# KiCad board panel.kicad_pcb (continued)
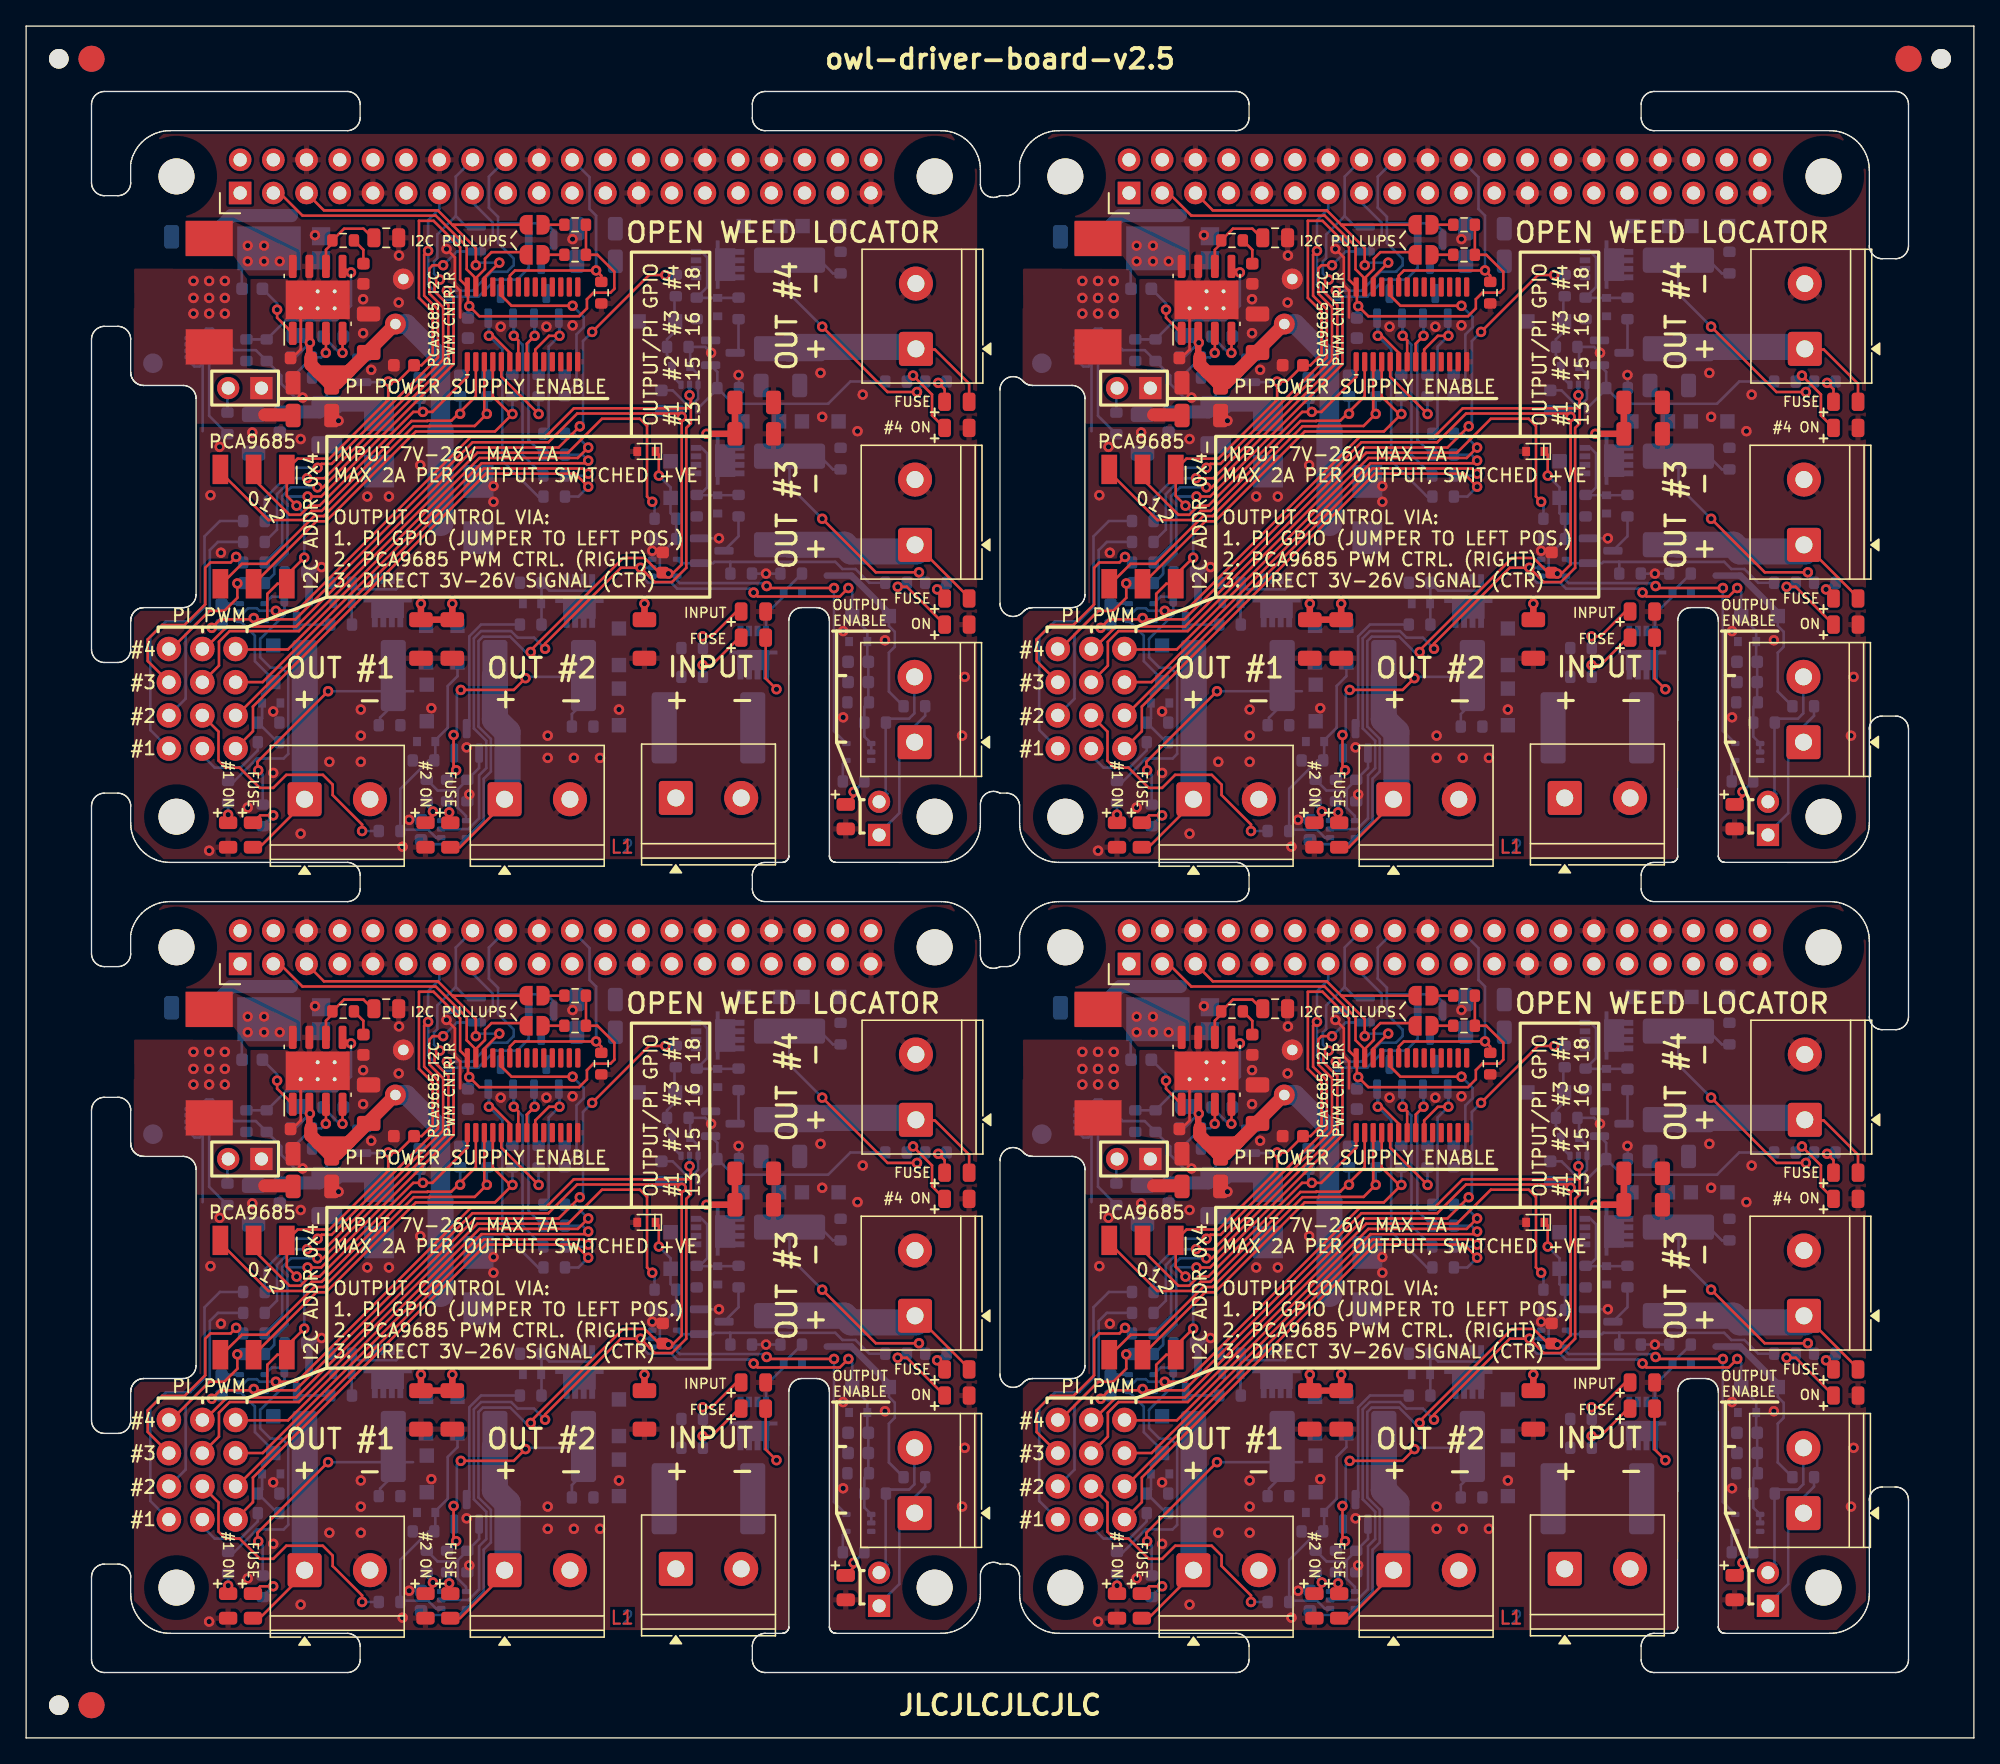
[diagram p0: board, top side]
## Routing (per net, layer and track width the routed paths; a pad name or vN(x,y) marks a point on that pad's centre or on a via; arc(x,y) is an arc through that point) (continued)
Board_1-/M1_G: length 7.4
  Bottom w0.2: R2.1 93.43,87.9 96.3,87.9 96.62,88.23 96.62,88.45 ; 92.9,85.1 92.9,86.68 ; 92.93,86.7 92.93,88.3
Board_1-/M2_D: length 18.8
  Top w0.2: v1(106.2,81.1) 105.3,80.2 v1(101.25,80.2) ; v1(100.89,74.05) 100.7,74.25 v1(100.7,76.75)
  Bottom w0.2: R15#3.2 100.2,73.36 v1(100.89,74.05) ; v1(100.7,76.75) 100.95,77 100.95,79.9 v1(101.25,80.2) ; v1(106.2,81.1) 106.3,81.2 110.54,81.2 ; 110.2,78.8 109.75,78.35 R61#2.2
Board_1-/M2_G: length 8
  Bottom w0.2: 111.32,88.65 111.32,88.03 111.1,87.8 108.03,87.8 R13#2.1 107.43,86.83 ; R17#3.2 107.43,86.78
Board_1-/M3_D: length 16.5
  Top w0.2: v1(128.9,93.3) 133,89.2 v1(136.3,89.2)
  Bottom w0.2: 129,97.8 129.72,97.08 130.3,97.08 ; F3#2.1 126.4,95.8 v1(128.9,93.3)
Board_1-/M3_G: length 7.6
  Bottom w0.2: 119.32,95.1 D3#3.2 122.47,95.1 ; 119.53,95.13 120.1,95.7 120.1,98.3 119.68,98.73 Q3#2.1
Board_1-/M4_D: length 18.1
  Top w0.2: v1(128.9,108) 133.9,103 v1(136.15,103)
  Bottom w0.2: 126.39,113.07 126.39,110.51 v1(128.9,108) ; v1(136.15,103) 136.15,103.18 R16#4.1 ; 130.3,112.08 129.72,112.08 129,112.8
Board_1-/M4_G: length 7.6
  Bottom w0.2: R14#3.1 120.1,111.03 120.1,113.3 119.68,113.73 Q7#4.1 ; 119.32,110.2 D18#4.2 122.47,110.2
Board_1-/PI_5V0_P: length 1.9
  Bottom w0.2: J9#3.2 83.4,103.24 83.4,101.43
Board_1-/SS: length 3.5
  Top w0.2: v1(92.2,106) 92.21,106.01 U1#3.4
  Bottom w0.2: C24#3.1 91.98,106 v1(92.2,106)
Board_1-/SW: length 2.1
  Bottom w0.2: 84.5,111.18 84.5,113.3
  vias: v1(84.95,114.2) v1(84.95,113) v1(86.2,114.2) v1(86.2,113) v1(87.4,113)
Board_1-/VSENSE: length 12.5
  Top w0.2: v1(92.85,112.15) 92.67,112.15 U1#3.5
  Bottom w0.2: 84.85,107.03 86.4,107.03 87.88,108.5 91.75,108.5 92.85,109.6 v1(92.85,112.15)
Board_1-ENABLE: length 126.5
  Top w0.2: v1(107.7,83.35) 107.7,83.75 113.5,89.55 v1(115,89.55) 116.1,88.45 117.4,88.45 118.5,89.55 118.5,100.25 118.85,100.6 118.85,102.65 ; v1(118.75,102.75) 118.85,102.65 ; 118.85,102.65 118.85,101.8 118.8,101.75 109.9,101.75 107.7,99.55 102,99.55 88.71,86.26 v1(87.1,86.26) ; v1(130.9,88) 130.25,87.35 123.95,87.35 v1(123.65,87.65)
  Bottom w0.2: U7#4.2 v1(118.75,102.75) ; v1(107.7,83.35) 106.85,84.2 105.6,84.2 105.1,84.7 102.8,84.7 102.25,84.15 102.25,77.26 103.2,76.31 103.2,74.22 102.65,73.67 102.65,70.38 101.82,69.55 U4#3.2 ; v1(87.1,86.26) 85.84,86.26 85.65,86.45 84.97,86.45 84.67,86.15 U5#4.2 ; v1(123.65,87.65) 123.35,87.95 117.8,87.95 117.35,88.4 115.58,88.4 115,88.98 v1(115,89.55) U6#3.2 ; v1(130.9,88) 131.2,87.7 D40.2 132.35,84.7 D39#3.1 132.35,82.43 C25#4.1 C21#2.1 132.43,79.3 R47.1 132.12,78.9 R49#2.2 132.12,76.63 U8.1 U8.2
Board_1-GND: length 58.5
  Top w0.2: 101.2,108.7 101.2,110.76 100.8,111.16 100.8,113.3 v1(100.16,113.94) ; 88.65,105.9 89,106.25 U1#3.9
  Bottom w0.2: U6#3.3 v1(115.9,90.85) 115.9,91.58 R51#4.1 ; v1(122.5,104.3) 122.53,104.28 R22#2.1 ; R21#3.1 101.75,72.05 v1(101.9,72.2) ; U5#4.3 83.45,86.8 83.3,86.65 ; C28#3.2 97.32,70.28 v1(97.3,70.26) ; v1(89.15,102.57) 88.57,102.57 87.53,103.62 87.53,104.25 R45.1 85.57,106.2 83.9,106.2 82.25,107.85 81.78,107.85 81.53,107.6 U3#3.9 U3#3.8 ; Q5.2 v1(121,91.8) ; R8.1 v1(124.6,89.1) R12.1 ; C26#4.2 117.46,103.13 118.48,102.1 119.03,102.1 119.4,102.47 U7#4.3 119.4,104.35 D42.2 118.8,106.33 118.68,106.45 119.95,106.45 v1(120.4,106) 120.36,106.04 Q9#4.2 ; U3#3.4 80.6,105.23 80.88,104.95 81.27,104.95 81.53,105.2 U3#3.2 81.5,105.48 81.5,100
  Bottom w0.5: v1(90.6,89.6) 90.2,89.6 89.65,89.05 Q4#2.2 89.65,88.98
  Bottom w1: C10#3.2 83.5,116.3 83.5,116.33 83.67,116.5 88.3,116.5
  vias: v1(82,67.9) v1(82.1,95.1) v1(82.8,98.8) v1(82.9,90.7) v1(84.95,71.2) v1(85.3,99.9) v1(86.9,78.55) v1(86.9,73.85) v1(89,99.4) v1(89,69.2) v1(90.1,115) v1(91.2,74.7) v1(91.9,100.8) v1(93.6,78.7) v1(93.6,76.7) v1(93.6,74.7) v1(93.78,110.1) v1(93.78,107.5) v1(94.1,95) v1(94.4,104.7) v1(95.75,95) v1(96.52,113.45) v1(96.5,109.85) v1(96.8,68.2) v1(98.15,97.4) v1(99,78.8) v1(101.7,75.8) v1(103.75,95.8) v1(103.75,94.6) v1(104.3,108) v1(107.8,108) v1(107.9,76.7) v1(107.9,75) v1(109.8,114.7) v1(109.8,108.1) v1(109.9,75) v1(111.9,75) v1(113.35,78.7) v1(128.77,104.46) v1(128.9,101.1) v1(130.5,84.7) v1(130.5,78.1) v1(131.6,100) v1(132,102.8) v1(133.7,84) v1(139.6,76.7) v1(139.8,81.2)
Board_1-I2C_SCL: length 25.8
  Top w0.2: 100.65,115.75 102.4,114 v1(102.4,112.7) ; 100.65,115.75 100.7,115.8 JP8#2.1 ; 100.65,115.75 99.5,116.9 90.78,116.9 J2#3.5 ; v1(104.2,112.9) 103.05,111.75 U2#4.26
  Bottom w0.2: v1(104.2,112.9) 102.6,112.9 v1(102.4,112.7)
Board_1-I2C_SDA: length 25
  Top w0.2: 106.05,113.7 103.6,113.7 103.1,113.2 103.1,112.41 102.4,111.71 U2#4.27 102.4,111.69 101.7,112.39 101.7,114.14 99.34,116.5 89.14,116.5 87.41,118.23
Board_1-INPUT1: length 39.3
  Top w0.2: J6#4.1 85.35,77.04 85.35,78.93 103.17,96.75 110,96.75 v1(111,95.75)
  Bottom w0.2: v1(111,95.75) 110.25,95 R24.2
Board_1-INPUT2: length 36.7
  Top w0.2: v1(111,96.75) 110.6,97.15 103.01,97.15 84.11,78.25
  Bottom w0.2: R25#4.2 110.85,96.6 v1(111,96.75)
Board_1-INPUT3: length 36
  Top w0.2: v1(111,97.75) 110.8,97.55 102.84,97.55 86.09,80.8 84.03,80.8
  Bottom w0.2: v1(111,97.75) 110.55,98.2 R26#4.2
Board_1-INPUT4: length 35.6
  Top w0.2: 84.05,83.3 88.03,83.3 102.68,97.95 110.2,97.95 v1(111,98.75)
  Bottom w0.2: R27#2.2 109.95,99.8 v1(111,98.75)
Board_1-MOSFET1: length 5.8
  Bottom w0.2: 81.48,75.2 82.43,74.25 84.4,74.25 85.72,75.58 85.72,76.2
Board_1-MOSFET2: length 20.1
  Top w0.2: v1(93.7,69.4) 93.7,69.9 91.45,72.15 91.45,72.95 90.7,73.7 87.9,73.7 86.9,72.7 85.88,72.7 84.33,74.25 83.25,74.25 82.72,74.78 82.72,77.01 J6#4.4
  Bottom w0.2: v1(93.7,69.4) R19#4.2
Board_1-MOSFET3: length 51
  Top w0.2: J6#4.6 82.75,82.06 82.75,83.89 83.56,84.7 88.86,84.7 102.52,98.35 109.45,98.35 112.05,100.95 114.95,100.95 115.5,100.4 115.5,95 v1(115.9,94.6)
  Bottom w0.2: v1(115.9,94.6) 116.07,94.43 R10#4.2
Board_1-MOSFET4: length 51.8
  Top w0.2: v1(110.35,100.37) 108.73,98.75 102.35,98.75 88.65,85.05 83.36,85.05 81.64,83.33 J6#4.8 ; v1(111.3,107.6) 115.65,111.95 v1(116.9,111.95)
  Bottom w0.2: v1(110.35,100.37) 110.6,100.62 110.6,106.9 v1(111.3,107.6) ; v1(116.9,111.95) 117.68,111.95 R20.2
Board_1-Net-(C23-Pad1): length 2.1
  Top w0.2: C23#3.1 93.8,113.88 R44#3.2
Board_1-Net-(D1-A): length 4.7
  Top w0.2: v1(119.75,82.1) 120.45,82.1 122.55,84.2 D1#2.2
  Bottom w0.2: 119.78,81.2 119.78,82.08 v1(119.75,82.1)
Board_1-Net-(D1-K): length 4.3
  Top w0.2: D1#2.1 124.57,81.08 v1(125.4,80.25)
Board_1-Net-(D4-A): length 2.8
  Top w0.2: D4.2 85.91,70.6 v1(86.9,70.6)
  Bottom w0.2: 86.2,69.9 v1(86.9,70.6)
Board_1-Net-(D5-A): length 1.9
  Top w0.2: v1(137.69,87.89) 137.69,87.77 D5#2.2
  Bottom w0.2: v1(137.69,87.89) 138.2,88.4 R5#4.1
Board_1-Net-(D6-A): length 5.5
  Bottom w0.2: R8.2 125.95,87.7 D6.2 125.95,87.35 124.6,86 Q1#4.1
Board_1-Net-(D12-A): length 11.6
  Bottom w0.2: U5#4.1 85.5,84.35 85.5,82.4 86.9,81 D12#3.2 86.9,80.7 86.05,79.85 D45#2.1 86.05,78.03 85.72,77.7 87.22,76.2 R9#2.1
Board_1-Net-(D13-A): length 11.1
  Top w0.2: D43#3.1 116.4,98.2 v1(116.4,96.6)
  Bottom w0.2: v1(116.4,96.6) 117.3,95.7 D13#4.2 117.3,93.73 R10#4.1 R51#4.2 116.47,90.5 116.47,89.15 116.22,88.9 U6#3.1
Board_1-Net-(D19-A): length 1.4
  Top w0.2: 100.4,70.34 100.4,70.79 v1(100.36,70.83)
  Bottom w0.2: v1(100.36,70.83) 100.4,70.87 100.4,71.73
Board_1-Net-(D20-A): length 1.7
  Top w0.2: v1(137.77,103.7) 138.26,103.21 D20#4.2
Board_1-Net-(D25-A): length 18.9
  Bottom w0.2: R52.2 99.22,74.95 99.47,75.2 ; R52.2 98.8,74.8 96.62,72.63 R19#4.1 96.72,69.5 98.75,69.5 99.35,68.9 U4#3.1 ; R52.2 99.3,74.88 D44.1 99.3,76.35 100.25,77.3 100.25,80.5 101,81.25 D25#3.2
Board_1-Net-(D26-A): length 7
  Bottom w0.2: 117.6,109.88 117.6,108.45 D26.2 117.65,107.65 117.03,107.03 R50.2 117.03,105.83 117.4,105.45 D42.1 117.4,104.25 U7#4.1
Board_1-Net-(D29-A): length 0.9
  Bottom w0.2: R58#4.1 v1(83.45,70.65)
Board_1-Net-(D30-A): length 5.6
  Top w0.2: D30#3.2 135.37,88.09 v1(134.67,88.09)
  Bottom w0.2: R56#3.1 135.07,88.09 v1(134.67,88.09)
Board_1-Net-(D31-A): length 2.1
  Top w0.2: v1(99.12,70.89) 99.12,70.61 D31#4.2
  Bottom w0.2: v1(99.12,70.89) 98.65,71.36 R57#4.1
Board_1-Net-(D37-A): length 6
  Top w0.2: v1(135.85,104.26) 137.3,102.81 137.3,101.21 D37#3.2 138.01,100
  Bottom w0.2: R54#4.1 135.84,104.26 v1(135.85,104.26)
Board_1-Net-(D38-A): length 4.6
  Top w0.2: D38#2.2 122.35,86.2 120.45,84.3 v1(119.75,84.3)
  Bottom w0.2: 119.75,84.45 119.78,84.43 119.78,83.55
Board_1-Net-(D41-A): length 2.4
  Top w0.2: v1(131.3,72.4) 131.3,72.04 D41#2.2
  Bottom w0.2: R55#2.1 132.1,73.2 v1(131.3,72.4)
Board_1-Net-(J2-GP22): length 37.5
  Top w0.2: v1(99.9,112.7) 99.1,112.7 98.85,112.45 98.85,110.53 99.9,109.48 99.9,105.47 90.83,96.4 v1(89.5,96.4)
  Bottom w0.2: v1(99.9,112.7) 100.95,113.75 D35#2.2 103.7,115.01 103.7,115.95 102.15,117.5 ; v1(89.5,96.4) 88.4,96.4 87.19,95.19 87.19,92.46 R29.1
Board_1-Net-(J2-GP23): length 42
  Top w0.2: v1(99.65,111.6) 99.25,111.2 99.25,110.7 100.3,109.64 100.3,105.31 90.7,95.7 v1(90.28,95.7)
  Bottom w0.2: 100.87,116.47 101.69,115.65 D35#2.1 ; 100.87,116.47 99.45,115.05 99.45,113.24 99.2,112.99 99.2,112.05 v1(99.65,111.6) ; 100.87,116.47 100.87,119.49 J2#3.16 ; v1(90.28,95.7) 88.27,95.7 87.59,95.02 87.59,91.29 R30.1
Board_1-Net-(J2-GP24): length 50.5
  Top w0.2: v1(89.53,95) 90.57,95 100.7,105.13 100.7,110.24 v1(100.19,110.76)
  Bottom w0.2: D34#2.2 108.35,115.35 107.8,115.9 104.1,115.9 ; 86.28,88.38 86.97,89.08 86.97,89.61 87.99,90.62 87.99,94.86 88.13,95 v1(89.53,95) ; 104.1,115.9 104.1,116.4 103.4,117.1 103.4,119.48 J2#3.18 ; 104.1,115.9 104.1,114.4 105.3,113.2 105.3,112.7 104.8,112.2 103.6,112.2 102.16,110.76 v1(100.19,110.76)
Board_1-Net-(J2-GP27): length 46.9
  Top w0.2: v1(98.75,113.8) 98.45,113.5 98.45,110.37 99.5,109.31 99.5,105.64 91.37,97.5 90.6,97.5 v1(90.3,97.2)
  Bottom w0.2: J2#3.13 99.61,117.01 98.75,116.15 v1(98.75,113.8) 98.75,111.21 99.9,110.06 100.48,110.06 100.72,110.3 102.6,110.3 103.9,111.6 105.57,111.6 106.45,112.49 D34#2.1 ; R38#4.1 86.25,94.85 88.6,97.2 v1(90.3,97.2)
Board_1-Net-(J10-Pin_1): length 11.3
  Bottom w0.2: 136.78,78.95 136.78,78.23 135.95,77.4 135.95,76.3 134.8,75.15 134.8,70.78 133.25,69.23 J11#2.1
Board_1-Net-(J10-Pin_2): length 12.6
  Bottom w0.2: 133.78,77.7 133.8,77.7 ; 135.95,81.3 135.95,78.41 135.54,78 134.07,78 133.75,77.68 133.75,72.27 133.25,71.77 J11#2.2 133.38,71.77 133.4,71.77 133.9,72.27
Board_1-Net-(JP7-B): length 1.6
  Top w0.2: R39.1 JP7.2
Board_1-Net-(JP8-B): length 1.6
  Top w0.2: R40#2.1 JP8#2.2
Board_1-Net-(Q4-D): length 2.7
  Bottom w0.2: Q4#2.3 88.96,85.2 R6#4.1
Board_1-Net-(Q4-G): length 23.4
  Bottom w0.2: 87.76,86.1 87.76,85.96 85.9,84.1 85.9,82.7 86.7,81.9 87.55,81.9 88.05,81.4 88.05,75.3 87.7,74.95 85.65,74.95 83.9,73.2 83.47,73.2 83.45,73.23 ; 87.76,86.1 87.76,85.94 ; 87.76,86.1 87.76,87.33 Q4#2.1 86.79,87.34 U5#4.4 ; R11#4.2 87.78,87.36
Board_1-Net-(Q5-D): length 3.1
  Bottom w0.2: 122.5,93.48 122.5,91.96 Q5.3
Board_1-Net-(Q5-G): length 17.7
  Bottom w0.2: 133.72,88.4 132.5,88.4 131.45,89.45 130.45,89.45 129.9,90 121.85,90 ; U6#3.4 118.1,89.9 Q5.1 120.55,89.9 120.65,90 121.85,90 ; 121.85,90 121.88,89.98 R12.2
Board_1-Net-(Q8-D): length 11.4
  Bottom w0.2: R17#3.1 102.8,85.2 101.9,84.3 101.9,77.44 Q8#3.3
Board_1-Net-(Q8-G): length 8.8
  Bottom w0.2: 101.03,72.5 101.03,71.18 101.65,70.55 U4#3.4 ; 101.03,72.5 101.03,72.6 R21#3.2 102.65,74.23 Q8#3.1 ; 101.03,72.5 99.47,72.5 R57#4.2
Board_1-Net-(Q9-D): length 2.7
  Bottom w0.2: 122.5,108.58 122.5,106.26 Q9#4.3
Board_1-Net-(Q9-G): length 18.3
  Bottom w0.2: R22#2.2 120.88,104.54 Q9#4.1 ; R22#2.2 122.07,102.1 129.35,102.1 131.05,103.8 133.72,103.8 ; R22#2.2 120.88,103.23 119.4,101.75 U7#4.4
Board_1-Net-(R55-Pad2): length 1.7
  Bottom w0.2: U8.4 130.47,74.53 R55#2.2
Board_1-Net-(U2-A0): length 24.4
  Top w0.2: U2#4.1 101.75,104.15 99.08,101.48 v1(98.35,101.48) 97.62,101.48 90.44,94.3 89.68,94.3 88.98,93.6 88.15,93.6 85.2,96.55
  Bottom w0.2: 98.1,102.48 98.1,101.73 v1(98.35,101.48)
Board_1-Net-(U2-A1): length 29.2
  Top w0.2: U2#4.2 102.4,102.68 100.53,100.8 98.71,100.8 98.69,100.78 97.48,100.78 90.6,93.9 89.84,93.9 89.14,93.2 86.53,93.2 82.86,96.88 SW1#2.2
  Bottom w0.2: v1(101.2,101.33) 101.2,101.33 R36#2.2
Board_1-Net-(U2-A2): length 31.1
  Top w0.2: SW1#2.4 82.97,88.33 84.5,89.85 86.39,89.85 90.04,93.5 90.77,93.5 97.65,100.38 98.86,100.38 98.88,100.4 102.32,100.4 v1(103.24,101.33) 103.05,101.52 U2#4.3
  Bottom w0.2: v1(103.24,101.33) 103.24,102.62
Board_1-Net-(U2-A3): length 31.2
  Top w0.2: 85.43,88.33 90.21,93.1 90.94,93.1 97.81,99.98 103.87,99.98 v1(105.21,101.32) 105.03,101.32 103.7,102.65 U2#4.4
  Bottom w0.2: R34#3.2 105.2,101.32 v1(105.21,101.32)
Board_1-Net-(U2-A4): length 6.5
  Top w0.2: v1(107.21,101.32) 104.35,104.17 U2#4.5
  Bottom w0.2: R33.2 107.2,101.32 v1(107.21,101.32)
Board_1-Net-(U2-A5): length 14.3
  Top w0.2: U2#4.24 104.35,110.38 105.13,109.6 v1(109.8,109.6)
  Bottom w0.2: R32#3.2 110.1,103.58 110.1,107.4 110.65,107.95 110.65,108.75 v1(109.8,109.6)
Board_1-Net-(U2-LED0): length 18.4
  Top w0.2: v1(103.4,107.3) 103.7,107.3 105,106 U2#4.6
  Bottom w0.2: v1(103.4,107.3) 104.43,106.28 104.43,97.75 107.18,95 R24.1
  Bottom w0.25: v1(103.4,107.3) 103.4,108.61
Board_1-Net-(U2-LED1): length 15.1
  Top w0.2: U2#4.7 105.65,106.95 v1(105.3,107.3)
  Bottom w0.2: v1(105.3,107.3) 105.97,106.63 105.97,98.2 R25#4.1
  Bottom w0.25: v1(105.3,107.3) 105.3,108.61
Board_1-Net-(U2-LED2): length 13.3
  Top w0.2: U2#4.8 106.3,106.7 v1(106.9,107.3)
  Bottom w0.2: R26#4.1 106.43,99.35 106.43,106.83 v1(106.9,107.3)
  Bottom w0.25: 106.9,108.61 v1(106.9,107.3)
Board_1-Net-(U2-LED3): length 12.5
  Top w0.2: U2#4.9 106.95,106.25 108,107.3 v1(108.8,107.3)
  Bottom w0.2: v1(108.8,107.3) 107.97,106.48 107.97,100.2 R27#2.1
  Bottom w0.25: v1(108.8,107.3) 108.8,108.61
Board_1-Net-(U3-EN): length 6.3
  Bottom w0.2: U3#3.1 82,101.18 R46#2.1
Board_1-OE: length 17.9
  Top w0.2: 112,111.43 112,111.9 v1(111.6,112.3) 105.4,112.3 105,111.9 U2#4.23
  Bottom w0.2: v1(111.6,112.3) 111.6,116.5 111.1,117 111.1,119.44 J2#3.22
Board_1-OUT1: length 14.6
  Top w0.2: 85.87,68.16 89.3,71.6
  Bottom w2: F2#2.2 89.31,71.61 89.3,71.6
Board_1-OUT2: length 15.8
  Top w0.2: D19#3.1 101.19,68.16 104.62,71.6
  Bottom w2: F4#2.2 103.86,77.94 104.82,76.98 104.82,71.8 104.62,71.6
Board_1-OUT3: length 15.7
  Top w0.2: D5#2.1 140.14,87.27 136.1,91.3
  Bottom w2: 136.1,90.8 131.1,90.8 130.59,91.31 F3#2.2
Board_1-OUT4: length 16.3
  Top w0.2: D20#4.1 140.14,103.63 137.52,106.25 136.1,106.25
  Bottom w2: 136.1,106.25 135.91,106.45 126.54,106.45 F5.2
Board_1-PI1: length 23.1
  Bottom w0.2: J1#4.4 77.5,77.13 77.5,84.25 78.7,85.45 80.55,85.45 81.65,86.55 81.65,91.95 82.82,93.13 R38#4.2
Board_1-PI2: length 16.8
  Bottom w0.2: R29.2 82.68,91.53 82.05,90.9 82.05,86.3 80.2,84.45 80.2,79.53 J1#4.3
Board_1-PI3: length 15.7
  Top w0.2: J1#4.2 77.3,82.41 77.3,84.07 78.4,85.17 80.12,85.17 81.7,86.75 81.7,89.55 82.1,89.95 83.64,89.95 v1(84.07,90.38)
  Bottom w0.2: v1(84.07,90.38) 84.17,90.38 R30.2
Board_1-PI4: length 8.4
  Top w0.2: J1#4.1 79.1,83.33 82.02,86.25 83.16,86.25 84.16,87.25 v1(84.16,88.35)
  Bottom w0.2: R31#2.2 84.19,88.38 v1(84.16,88.35)
Board_1-VCC: length 58.6
  Top w0.5: v1(100.6,86.8) 100.6,85.58 98.2,85.58 v1(98.2,86.8) ; v1(120.05,99.8) C16#3.1 C15.1 ; 89.66,107.49 89.66,105.71 ; 115.3,85.58 v1(115.3,86.8)
  Top w1: 94.12,106.03 92.75,104.65 ; 92.75,104.65 91.8,103.7 C18.1 91.18,103.7 90.34,104.54 ; 92.75,104.65 92.64,104.54 90.34,104.54 ; C8#3.1 94.2,106.15 C5.1 ; C6#2.1 89.78,105.1 90.34,104.54
  Bottom w0.2: v1(89.71,106.77) 88.58,105.65 88.22,105.65 ; 134.45,85.4 D40.1 134,85.1 134.45,84.65 134.45,83.5 134,83.05 134,80.08 R48#3.1
  Bottom w0.5: D40.1 134,86.08 131.13,88.95 129.25,88.95 ; 89.2,107.28 v1(89.71,106.77)
  Bottom w1.5: 99.7,100.2 99.7,105.6 97.1,108.2 C8#3.1
  Bottom w2: 99.7,100.1 99.7,92.98
Board_2-+3V3: length 194.7
  Top w0.2: v1(27.7,44.8) 27.7,43.4 23.2,38.9 20.77,38.9 SW1#3.C 19.94,36.05 v1(20.69,35.3) ; v1(27.7,44.8) 27.77,44.87 ; v1(27.7,44.8) 28.42,44.8 C30#2.1 30.25,46.05 31.1,46.9 31.1,50.15 30.05,51.2 30.05,57.1 31.17,57.1 33.2,55.07 33.2,52.59 U2.28 ; v1(61.8,29) 56.8,29 v1(56.65,29.15) ; 33.8,51.99 33.8,50.67 v1(33.9,50.57) 34.67,49.8 42.3,49.8 42.9,50.4 42.9,51.1 43.4,51.6 44.7,51.6 45,51.9 45,53.2 43.7,54.5 R39#3.2 R40#3.2 ; C27#4.1 48.44,30.18 47.31,31.3 45.67,31.3 38.6,24.23 v1(38.6,24.1) ; C27#4.1 48.78,30.1 v1(49.13,30.1) ; C27#4.1 49.53,30.18 50.15,30.8 v1(50.15,42.1) 49.9,42.35 42.15,42.35 39.95,40.15 34.15,40.15 20.6,26.6 19.1,26.6 ; SW1#3.C 19.22,29.33 18.45,28.55 18.45,26.65 18.5,26.6 19.1,26.6 ; 19.1,26.6 17.51,26.6 v1(17.41,26.7) 17.31,26.6 14.85,26.6 v1(14.2,25.95) ; 19.74,29.79 v1(21.28,31.33)
  Bottom w0.2: v1(56.65,29.15) 56.43,29.38 50,29.38 49.8,29.58 U6#2.5 49.33,29.9 v1(49.13,30.1) ; v1(61.8,29) 61.8,18.05 U8#3.5 ; U9.2 27.65,44.75 v1(27.7,44.8) ; v1(17.41,26.7) 17.61,26.5 U5#2.5 18.35,26.5 ; v1(21.28,31.33) 21.28,34.71 v1(20.69,35.3) ; 50.15,42.05 50.1,42.1 ; 50.1,42.1 U7.5 ; 50.1,42.1 v1(50.15,42.1) 49.67,42.58 48.6,42.58 ; C28#2.1 30.53,9.4 33.15,9.4 U4#4.5 33.7,9.9 35,11.2 35,14.4 35.55,14.95 35.55,17.45 34.6,18.4 34.6,24.94 34.94,25.28 37.03,25.28 38.21,24.1 v1(38.6,24.1) ; v1(33.9,50.57) 33.8,50.47 C7#3.1
Board_2-+5V: length 12.1
  Top w1: 20.42,42.2 20.38,42.25 18.25,42.25
  Bottom w0.2: C13.1 23,44.9 U9.3
  Bottom w1: C9.1 22.44,42.48 C13.1 23.04,43 26.08,43
  vias: v1(12.8,52.5) v1(12.8,51.2) v1(12.8,50) v1(14,52.5) v1(14,51.2) v1(14,50) v1(15.2,52.5) v1(15.2,51.2) v1(15.2,50)
Board_2-/BOOT: length 4.4
  Top w0.2: U1#4.1 19.2,49.68 v1(19.2,50.3)
  Bottom w0.2: C17#3.1 19.2,50.78 v1(19.2,50.3)
Board_2-/COMP: length 6.1
  Top w0.2: 23.4,55.78 23.4,55.35 22.94,54.89 U1#4.6 ; 26.51,55.8 25.81,56.5 24.33,56.5 R44.1
Board_2-/EN: length 5.2
  Top w0.2: U1#4.3 22.94,46.71
  Bottom w0.2: 20.33,45.1 R41#3.1 22.58,46.65 v1(22.92,47)
Board_2-/M1_D: length 19.4
  Top w0.2: v1(17.76,15.04) 17.7,15.1 17.7,15.7 v1(23.1,21.1)
  Bottom w0.2: R4#4.2 18.1,14.7 v1(17.76,15.04) ; R62#2.2 27.08,18.6 27.08,19.08 27.9,19.9 ; v1(23.1,21.1) 29.6,21.1
Board_2-/M1_G: length 7.4
  Bottom w0.2: R2#4.1 25.42,28.9 28.3,28.9 28.62,29.23 28.62,29.45 ; 24.9,26.1 24.9,27.68 ; 24.92,27.7 24.92,29.3
Board_2-/M2_D: length 18.8
  Top w0.2: v1(32.7,17.75) 32.7,15.25 v1(32.89,15.05) ; v1(38.2,22.1) 37.3,21.2 v1(33.25,21.2)
  Bottom w0.2: v1(33.25,21.2) 32.95,20.9 32.95,18 v1(32.7,17.75) ; 42.54,22.2 38.3,22.2 v1(38.2,22.1) ; v1(32.89,15.05) 32.2,14.36 R15#2.2 ; 42.2,19.8 41.75,19.35 R61#4.2
Board_2-/M2_G: length 8
  Bottom w0.2: 39.42,27.83 R13.1 40.03,28.8 43.1,28.8 43.33,29.03 43.33,29.65 ; R17#2.2 39.42,27.78
Board_2-/M3_D: length 16.5
  Top w0.2: v1(60.9,34.3) 65,30.2 v1(68.3,30.2)
  Bottom w0.2: R60#3.2 61.72,38.08 61,38.8 ; F3.1 58.4,36.8 v1(60.9,34.3)
Board_2-/M3_G: length 7.6
  Bottom w0.2: 51.25,39.73 51.67,39.73 52.1,39.3 52.1,36.7 51.53,36.13 ; 51.33,36.1 D3#4.2 54.47,36.1
Board_2-/M4_D: length 18.1
  Top w0.2: v1(68.15,44) 65.9,44 v1(60.9,49)
  Bottom w0.2: v1(60.9,49) 58.39,51.51 58.39,54.07 ; v1(68.15,44) 68.15,44.18 R16#2.1 ; R59#3.2 61.72,53.08 61,53.8
Board_2-/M4_G: length 7.6
  Bottom w0.2: 54.47,51.2 D18#2.2 51.33,51.2 ; 51.25,54.73 51.67,54.73 52.1,54.3 52.1,52.03 51.3,51.23
Board_2-/PI_5V0_P: length 1.9
  Bottom w0.2: J9#2.2 15.4,44.24 R46.2
Board_2-/SS: length 3.5
  Top w0.2: U1#4.4 24.2,47.01 v1(24.2,47)
  Bottom w0.2: v1(24.2,47) 23.98,47 C24.1
Board_2-/SW: length 2.1
  Bottom w0.2: 16.5,52.18 16.5,54.3
  vias: v1(16.95,55.2) v1(16.95,54) v1(18.2,55.2) v1(18.2,54) v1(19.4,54)
Board_2-/VSENSE: length 12.5
  Top w0.2: U1#4.5 24.67,53.15 v1(24.85,53.15)
  Bottom w0.2: R42#3.1 R45#3.2 19.88,49.5 23.75,49.5 24.85,50.6 v1(24.85,53.15)
Board_2-ENABLE: length 126.5
  Top w0.2: 50.85,43.65 50.85,42.8 50.8,42.75 41.9,42.75 39.7,40.55 34,40.55 20.71,27.26 v1(19.1,27.26) ; 50.85,43.65 50.85,41.6 50.5,41.25 50.5,30.55 49.4,29.45 48.1,29.45 v1(47,30.55) 45.5,30.55 39.7,24.75 v1(39.7,24.35) ; 50.85,43.65 v1(50.75,43.75) ; v1(55.65,28.65) 55.95,28.35 62.25,28.35 v1(62.9,29)
  Bottom w0.2: U4#4.2 33.82,10.55 34.65,11.38 34.65,14.67 35.2,15.22 35.2,17.31 34.25,18.26 34.25,25.15 34.8,25.7 37.1,25.7 37.6,25.2 38.85,25.2 v1(39.7,24.35) ; U6#2.2 v1(47,30.55) 47,29.98 47.58,29.4 49.35,29.4 49.8,28.95 55.35,28.95 v1(55.65,28.65) ; U8#3.2 U8#3.1 64.12,17.63 R49#4.2 64.12,19.9 R47#4.1 64.43,20.3 C21#4.1 C25#2.1 64.35,23.43 D39#4.1 64.35,25.7 D40#4.2 63.2,28.7 v1(62.9,29) ; v1(19.1,27.26) 17.84,27.26 17.65,27.45 16.97,27.45 16.67,27.15 U5#2.2 ; U7.2 v1(50.75,43.75)
Board_2-GND: length 58.5
  Top w0.2: v1(32.16,54.94) 32.8,54.3 32.8,52.16 33.2,51.76 33.2,49.7 ; U1#4.9 21,47.25 20.65,46.9
  Bottom w0.2: C28#2.2 29.32,11.28 v1(29.3,11.26) ; R22#3.1 54.53,45.28 v1(54.5,45.3) ; R8#2.1 v1(56.6,30.1) R12#4.1 ; R21#4.1 33.75,13.05 v1(33.9,13.2) ; U3#4.8 U3#4.9 13.53,48.6 13.78,48.85 14.25,48.85 15.9,47.2 17.58,47.2 R45#3.1 19.53,45.25 19.53,44.62 20.57,43.57 v1(21.15,43.57) ; Q9#2.2 52.36,47.04 v1(52.4,47) 51.95,47.45 R50#4.1 50.8,47.33 D42#4.2 51.4,45.35 U7.3 51.4,43.47 51.03,43.1 50.48,43.1 49.46,44.13 C26#3.2 ; U5#2.3 15.45,27.8 15.3,27.65 ; Q5#3.2 v1(53,32.8) ; U6#2.3 v1(47.9,31.85) 47.9,32.58 R51#3.1 ; 13.5,41 13.5,46.48 U3#4.2 13.53,46.2 13.27,45.95 12.88,45.95 12.6,46.23 U3#4.4
  Bottom w0.5: v1(22.6,30.6) 22.2,30.6 21.65,30.05 Q4.2 21.65,29.98
  Bottom w1: 20.3,57.5 15.67,57.5 15.5,57.33 15.5,57.3 14.08,55.88
  vias: v1(14,8.9) v1(14.1,36.1) v1(14.8,39.8) v1(14.9,31.7) v1(16.95,12.2) v1(17.3,40.9) v1(18.9,19.55) v1(18.9,14.85) v1(21,40.4) v1(21,10.2) v1(22.1,56) v1(23.2,15.7) v1(23.9,41.8) v1(25.6,19.7) v1(25.6,17.7) v1(25.6,15.7) v1(25.78,51.1) v1(25.78,48.5) v1(26.1,36) v1(26.4,45.7) v1(27.75,36) v1(28.52,54.45) v1(28.5,50.85) v1(28.8,9.2) v1(30.15,38.4) v1(31,19.8) v1(33.7,16.8) v1(35.75,36.8) v1(35.75,35.6) v1(36.3,49) v1(39.8,49) v1(39.9,17.7) v1(39.9,16) v1(41.8,55.7) v1(41.8,49.1) v1(41.9,16) v1(43.9,16) v1(45.35,19.7) v1(60.77,45.46) v1(60.9,42.1) v1(62.5,25.7) v1(62.5,19.1) v1(63.6,41) v1(64,43.8) v1(65.7,25) v1(71.6,17.7) v1(71.8,22.2)
Board_2-I2C_SCL: length 25.8
  Top w0.2: U2.26 35.05,52.75 v1(36.2,53.9) ; 32.65,56.75 31.5,57.9 22.78,57.9 J2.5 ; 32.65,56.75 32.7,56.8 JP8.1 ; 32.65,56.75 34.4,55 v1(34.4,53.7)
  Bottom w0.2: v1(34.4,53.7) 34.6,53.9 v1(36.2,53.9)
Board_2-I2C_SDA: length 25
  Top w0.2: 19.41,59.23 21.14,57.5 31.34,57.5 33.7,55.14 33.7,53.39 34.4,52.69 U2.27 34.4,52.71 35.1,53.41 35.1,54.2 35.6,54.7 38.05,54.7
Board_2-INPUT1: length 39.3
  Top w0.2: v1(43,36.75) 42,37.75 35.17,37.75 17.35,19.93 17.35,18.04 J6#3.1
  Bottom w0.2: v1(43,36.75) 42.25,36 41.22,36
Board_2-INPUT2: length 36.7
  Top w0.2: 16.11,19.25 35.01,38.15 42.6,38.15 v1(43,37.75)
  Bottom w0.2: v1(43,37.75) 42.85,37.6 41.22,37.6
Board_2-INPUT3: length 36
  Top w0.2: 16.03,21.8 18.09,21.8 34.84,38.55 42.8,38.55 v1(43,38.75)
  Bottom w0.2: 41.22,39.2 42.55,39.2 v1(43,38.75)
Board_2-INPUT4: length 35.6
  Top w0.2: v1(43,39.75) 42.2,38.95 34.68,38.95 20.03,24.3 16.05,24.3
  Bottom w0.2: v1(43,39.75) 41.95,40.8 41.22,40.8
Board_2-MOSFET1: length 5.8
  Bottom w0.2: 13.48,16.2 14.42,15.25 16.4,15.25 17.72,16.58 R9#4.2
Board_2-MOSFET2: length 20.1
  Top w0.2: v1(25.7,10.4) 25.7,10.9 23.45,13.15 23.45,13.95 22.7,14.7 19.9,14.7 18.9,13.7 17.88,13.7 16.33,15.25 15.25,15.25 14.72,15.78 14.72,18.01 J6#3.4
  Bottom w0.2: v1(25.7,10.4) R19.2
Board_2-MOSFET3: length 51
  Top w0.2: v1(47.9,35.6) 47.5,36 47.5,41.4 46.95,41.95 44.05,41.95 41.45,39.35 34.52,39.35 20.86,25.7 15.56,25.7 14.75,24.89 14.75,23.06 J6#3.6
  Bottom w0.2: R10.2 48.08,35.43 v1(47.9,35.6)
Board_2-MOSFET4: length 51.8
  Top w0.2: v1(43.3,48.6) 47.65,52.95 v1(48.9,52.95) ; J6#3.8 13.64,24.33 15.36,26.05 20.65,26.05 34.35,39.75 40.73,39.75 v1(42.35,41.37)
  Bottom w0.2: v1(48.9,52.95) 49.67,52.95 R20#2.2 ; v1(42.35,41.37) 42.6,41.62 42.6,47.9 v1(43.3,48.6)
Board_2-Net-(C23-Pad1): length 2.1
  Top w0.2: C23#4.1 25.8,54.88 R44.2
Board_2-Net-(D1-A): length 4.7
  Top w0.2: v1(51.75,23.1) 52.45,23.1 54.55,25.2 D1.2
  Bottom w0.2: v1(51.75,23.1) 51.78,23.08 R1#3.1
Board_2-Net-(D1-K): length 4.3
  Top w0.2: v1(57.4,21.25) 56.57,22.08 D1.1
Board_2-Net-(D4-A): length 2.8
  Top w0.2: v1(18.9,11.6) 17.91,11.6 D4#2.2
  Bottom w0.2: 18.2,10.9 v1(18.9,11.6)
Board_2-Net-(D5-A): length 1.9
  Top w0.2: D5#4.2 69.69,28.77 v1(69.69,28.89)
  Bottom w0.2: R5#2.1 70.2,29.4 v1(69.69,28.89)
Board_2-Net-(D6-A): length 5.5
  Bottom w0.2: R8#2.2 57.95,28.7 D6#4.2 57.95,28.35 56.6,27 Q1.1
Board_2-Net-(D12-A): length 11.6
  Bottom w0.2: R9#4.1 19.22,17.2 R53.2 18.05,19.03 D45.1 18.05,20.85 18.9,21.7 D12#2.2 18.9,22 17.5,23.4 17.5,25.35 U5#2.1
Board_2-Net-(D13-A): length 11.1
  Top w0.2: D43.1 48.4,39.2 v1(48.4,37.6)
  Bottom w0.2: U6#2.1 48.22,29.9 48.47,30.15 48.47,31.5 49.72,32.75 49.72,34.3 49.3,34.73 D13#3.2 49.3,36.7 v1(48.4,37.6)
Board_2-Net-(D19-A): length 1.4
  Top w0.2: v1(32.36,11.83) 32.4,11.79 32.4,11.34
  Bottom w0.2: 32.4,12.73 32.4,11.87 v1(32.36,11.83)
Board_2-Net-(D20-A): length 1.7